# Allegro board Notecarrier-A PCB v2.0.brd (continued)
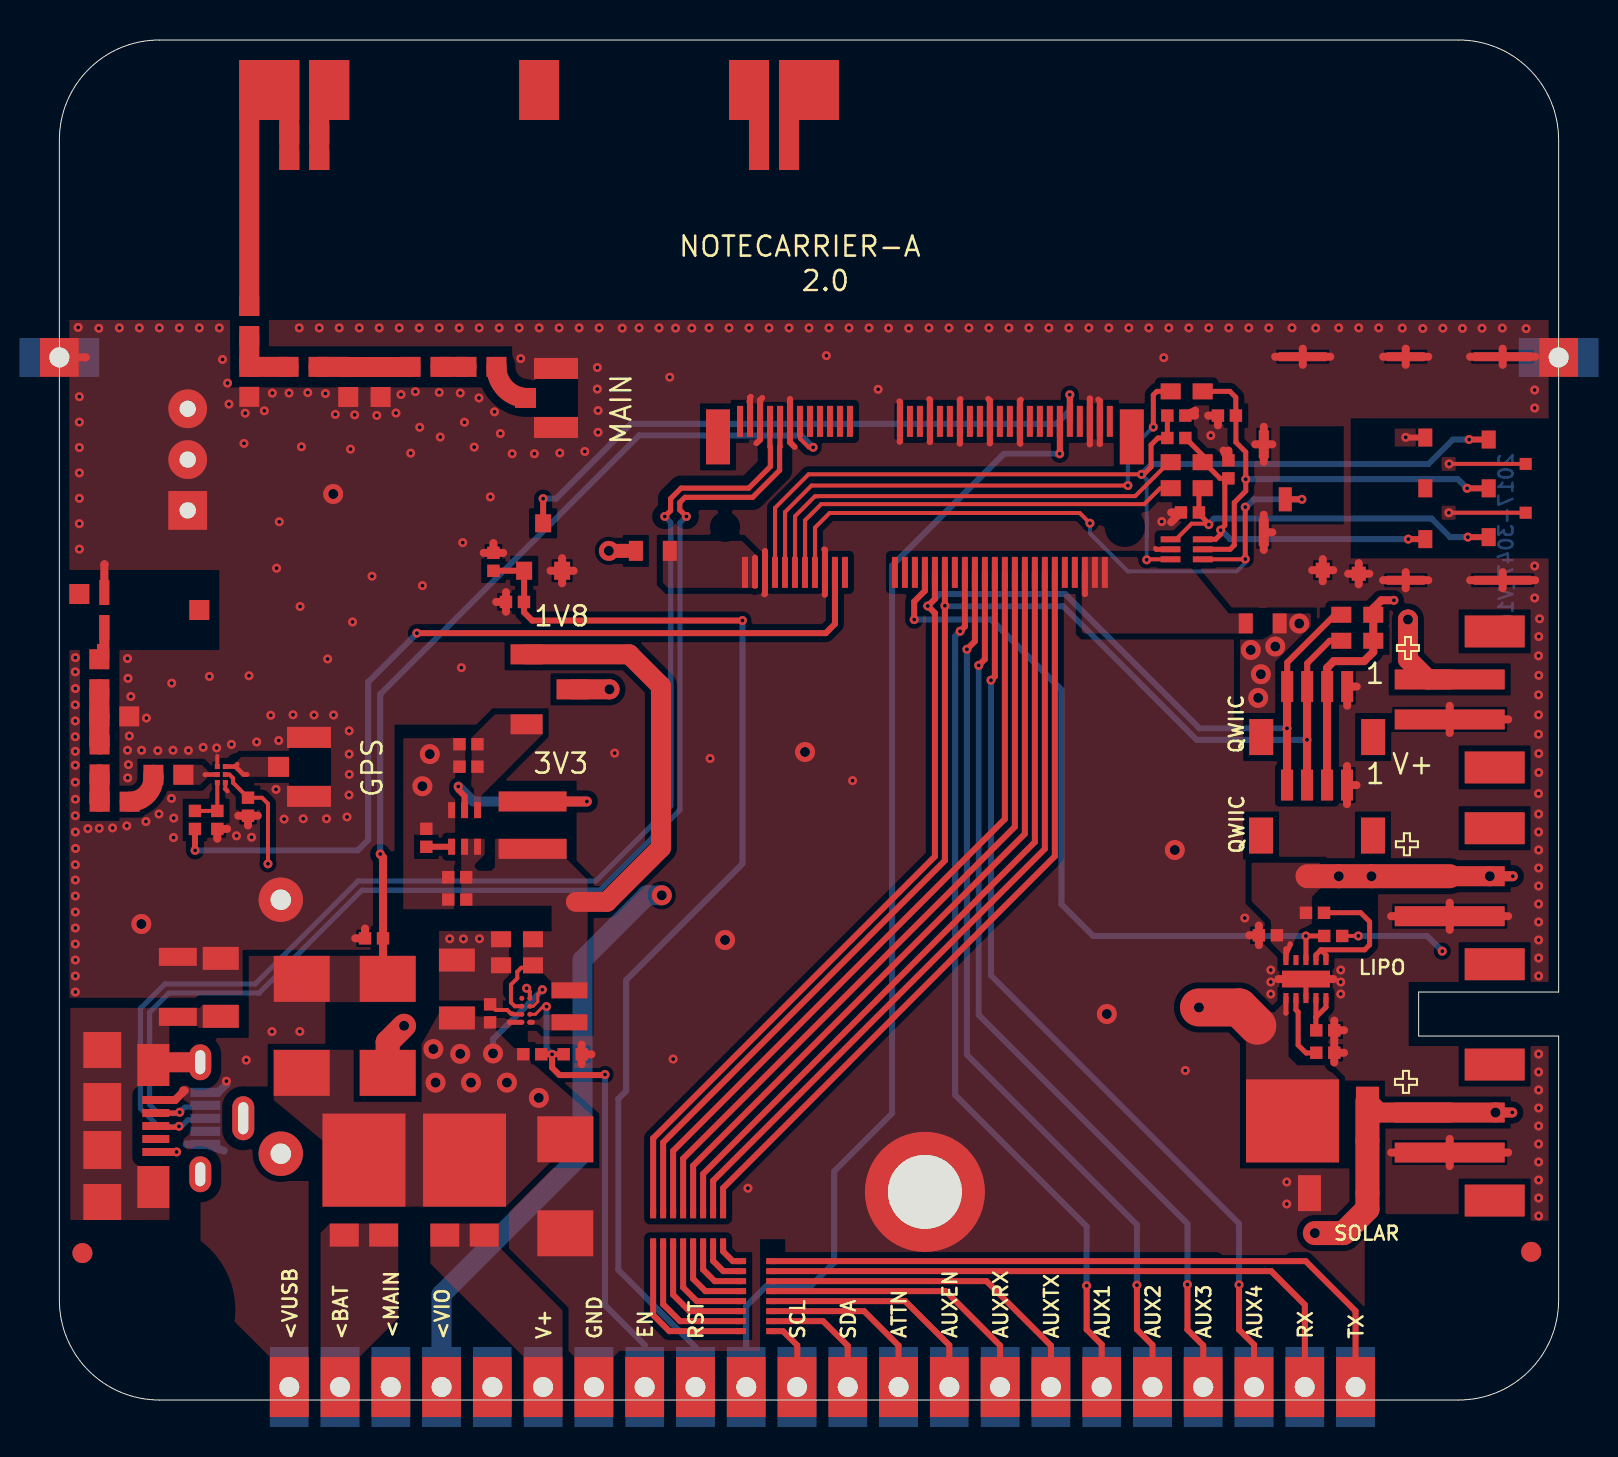
[diagram p0: board, top side]
## Placement (name value [footprint] x y rotation side) (continued)
U2  MAX17225ELT  [WDFN6-0200X0200]  20.27 28.58 270 top
U3  BQ24210DQCT  [WSON10-EXP]  62.36 21.05 90 top
U5  BGA725L6E6327FTSA1  [XFDFN6]  8.1 31.27 270 top

## Library data of the parts
ANT1 = ANT - NN03-310 - LTE-GNSS-BL
ANT2 = ANT - NN03-320 - GPS-GLONASS-BT
BAT1 = PORTA BATTERIA 3xAA - 2464: room: 3xAA BATTERY
C1 = CS-C-1206-47u/16V-X5R: room: DC-DC 1V8
C2 = CS-C-0402-4.7u/6V3-X5R: room: DC-DC 1V8
C3 C4 = CS-C-0603-10u/10V-X5R: room: DC-DC 1V8
C5 = CS-C-0402-100n/16V: room: DC-DC 1V8
C6 C9 = CS-C-0402-100n/16V: room: DC-DC 3V3
C7 C8 = CS-C-0402-10u/6V3-X5R: room: DC-DC 3V3
C10 = CS-C-0402-100n/16V: room: USB
C11 = CS-C-1206-10n/1kV: room: USB
C12 = CS-C-1206-10u/25V-X5R: room: SOLAR BATTERY CHARGER
C13 = CS-C-0402-1u/16-X5R: room: SOLAR BATTERY CHARGER
C16 = CS-C-0402-100n/16V: room: NANO-SIM
C17-C19 = CS-C-0402-33p/50V-C0G: room: NANO-SIM
C21 = CS-C-0402-1n/50V
C22 = CS-C-0402-1u/16-X5R: room: GPS ANTENNA
C23 = CS-C-0402-100n/16V: room: M2 CONNECTOR
C25 = CS-C-0603-0.5p/50V-C0G
C26 = CS-C-0603-1p/50V-C0G
C27 = CS-C-0603-2.2p/50V-C0G
C28 = CS-C-0402-4.6p/50V-C0G
C29 = CS-C-0402-1.1p/50V-C0G
DS2 DS3 = SCHOTTKY - FSV1045V - 10A/45V: room: INPUT
DS4 = SCHOTTKY-STPS3H100U - 3A/100V: room: USB
DS5 = SCHOTTKY-STPS3H100U - 3A/100V: room: SOLAR BATTERY CHARGER
DS6 = SCHOTTKY - FSV1045V - 10A/45V: room: SOLAR BATTERY CHARGER
F1 = RAPIDO - SF-0603F150-2-1.5A/32V: room: M2 CONNECTOR
F2 = RAPIDO - 0603SFV350F- 3.5A/32V: room: M2 CONNECTOR
FID1-FID4 = FIDUCIAL
J2 = USB - MICROUSB-B-FDS-1051330001
J3 J4 J12 = PH - J-2-0200-MDS-B2B-PH-SM4: room: SOLAR BATTERY CHARGER
J5 = NANOSIM - J-NANOSIM-SF72S006VBA: room: NANO-SIM
J6 = AMPHENOL-75 - M-2 KEY E_13: room: M2 CONNECTOR
J7 = UFL - U-FL-R-SMT-1-10: room: LTE ANTENNA
J8 = UFL - U-FL-R-SMT-1-10: room: GPS ANTENNA
J9 = STRIP-J-22-0254-FDT-H0508
J10 = STRIP-J-3-0254-FDT-H0508
J11 = USB - uUSB-B-10118192-0002LF: room: USB
J13 J14 = SH - J-4-0100-MDS-SH-BM04B
L1 = PW-XFL4020-222ME - 2.2u/3.1A: room: DC-DC 3V3
L2 = L - 1285AS-H-2R2M=P2-2.2u/1.5A: room: DC-DC 1V8
L5 = L - LQW15AN7N5H00D - 7.5n/0.57A
L6 = L - LQW18AN12NG80D - 12n/1.5A
L7 = L - LQW18AN10NG80D - 10n/1.6A
L8 = L - LQW18AN8N4G80D - 8.4n/1.6A
L9 = L - LQW15AN2N3G80D - 2.3n/2.53A
OBJ1 = DISTANZIALE - M2.5x0250
PAD1 PAD2 = CASTELLATED PAD - 0100
Q1 = NMOS - AO3420 - 6A/20V: room: M2 CONNECTOR
R1 = RS-0402-10M/5%
R4 = RS-0402-82k: room: DC-DC 3V3
R5 = RS-1206-1M: room: USB
R6 R8 R10 = RS-0402-10k: room: SOLAR BATTERY CHARGER
R9 = RS-0402-470r: room: SOLAR BATTERY CHARGER
R12 R14 R15 = RS-0603-22r: room: NANO-SIM
R16 = RS-0402-15k: room: NANO-SIM
R18 = RS-0402-200k
R21 = RS-0402-1k: room: M2 CONNECTOR
R22 = RS-0402-100k: room: GPS ANTENNA
R25 R27-R29 = RS-0603-0r
R26 R30 R31 = RS-0603
RR1 RR2 = RR-8X-1506-100r/5%: room: M2 CONNECTOR
SW1 = SW-SPDT - CJS-1200TA: room: POWER SWITCH
TVS1 = TVS-UNI - SM6T6V8A - 6.8V/600W: room: INPUT
TVS2 = TVS-UNI5x - ESDLC5V0M5-TP - 5V: room: NANO-SIM
U1 = BUCK - TPS62748YFPT - 0.3A/ADJ: room: DC-DC 1V8
U2 = BOOST -  MAX17225ELT - 0.5A/ADJ: room: DC-DC 3V3
U3 = BAT-CHARGE - BQ24210DQCT: room: SOLAR BATTERY CHARGER
U5 = LNA-RF - BGA725L6E6327FTSA1: room: GPS ANTENNA

## Footprints (pads in the part's own frame, mm; a bottom-side part is the same pattern mirrored in y, then rotated)
ANT-NN03310-LTE
  rect 1x3 smd: 1(-14.5,0) 2(-12.5,0) 6(12.5,0) 7(14.5,0)
  rect 2x3 smd: 3(-10.5,0) 4(0,0) 5(10.5,0)
ANT-NN03320-GPS
  rect 1x1 smd: 1(0,-3) 3(0.8,3)
  rect 1.25x0.5 smd: 2(0.875,1.75) 4(-0.875,1.75)
BATHLD-2464-NO_MECH
  round 2.22 hole 1.02: 1(26.405,-14.925) 2(26.405,-2.225)
CS-C-0402
  rect 0.62x0.62 smd: 1(-0.45,0) 2(0.45,0)
CS-C-0603
  rect 1x0.8 smd: 1(-0.8,0) 2(0.8,0)
CS-C-1206
  rect 1.15x1.8 smd: 1(-1.5,0) 2(1.4,0)
DIST-WASMSIM0250
  round 6 hole 3.7: 1(0,0)
FIDUCIAL
  round 1 smd: 1(0,0)
FRACTUS-0404
  rect 1x1 smd: 1(-0.75,0) 2(0.75,0)
FS-0603
  rect 0.7x1 smd: 1(-0.85,0) 2(0.85,0)
J-2-0200-MDS-B2B-PH-SM4
  rect 1.6x3 smd: (-5.4,2.25) (1.4,2.25)
  rect 1x5.5 smd: 1(-3,0) 2(-1,0)
J-3-0254-FDT-H0508
  rect 1.94x1.94 hole 0.81: 1(-2.54,0)
  round 1.94 hole 0.81: 2(0,0) 3(2.54,0)
J-3-MDS-UFL
  rect 1x1.05 smd: 1(0,-1.525)
  rect 1.05x2.2 smd: 2(-1.475,0) 3(1.475,0)
J-4-0100-MDS-SH
  rect 1.2x1.8 smd: (-1.3,2.525) (4.3,2.525)
  rect 0.6x1.55 smd: 1(0,0) 2(1,0) 3(2,0) 4(3,0)
J-5-0065-FDS-UUSB1051330001
  rect 0.45x1.5 smd: 1(-1.3,-0.25) 2(-0.65,-0.25) 3(0,-0.25) 4(0.65,-0.25) 5(1.3,-0.25)
  oval 1.8x1.1 hole 1.2x0.5: 6(-2.8,0) 7(2.8,0)
  oval 2.2x1.1 hole 1.6x0.5: 8(0,-2.15)
J-5-0065-FOS-USB10118192-NOF
  rect 0.4x1.35 smd: 1(-1.3,0.125) 2(-0.65,0.125) 3(0,0.125) 4(0.65,0.125) 5(1.3,0.125)
  rect 2.1x1.6 smd: 6(-3.05,0) 7(3.05,0)
  rect 1.9x1.9 smd: 8(-1.2,-2.55) 9(1.2,-2.55)
  rect 1.8x1.9 smd: 10(-3.8,-2.55) 11(3.8,-2.55)
J-22-0254-FDT-H0508_EDGE
  rect 1.94x3 hole 1: 1(-26.67,-0.65) 2(-24.13,-0.65) 3(-21.59,-0.65) 4(-19.05,-0.65) 5(-16.51,-0.65) 6(-13.97,-0.65) 7(-11.43,-0.65) 8(-8.89,-0.65) 9(-6.35,-0.65) 10(-3.81,-0.65) 11(-1.27,-0.65) 12(1.27,-0.65) 13(3.81,-0.65) 14(6.35,-0.65) 15(8.89,-0.65) 16(11.43,-0.65) 17(13.97,-0.65) 18(16.51,-0.65) 19(19.05,-0.65) 20(21.59,-0.65) 21(24.13,-0.65) 22(26.67,-0.65)
J-75-0050-MOS-M2-E
  rect 1.2x2.75 smd: (-10.35,4.5) (10.35,4.5)
  round 0 hole 1.1 unplated: (-10,0)
  round 0 hole 1.6 unplated: (10,0)
  rect 0.3x1.55 smd: 1(-9.25,5.275) 2(-9,-2.275) 3(-8.75,5.275) 4(-8.5,-2.275) 5(-8.25,5.275) 6(-8,-2.275) 7(-7.75,5.275) 8(-7.5,-2.275) 9(-7.25,5.275) 10(-7,-2.275) 11(-6.75,5.275) 12(-6.5,-2.275) 13(-6.25,5.275) 14(-6,-2.275) 15(-5.75,5.275) 16(-5.5,-2.275) 17(-5.25,5.275) 18(-5,-2.275) 19(-4.75,5.275) 20(-4.5,-2.275) 21(-4.25,5.275) 22(-4,-2.275) 23(-3.75,5.275) 32(-1.5,-2.275) 33(-1.25,5.275) 34(-1,-2.275) 35(-0.75,5.275) 36(-0.5,-2.275) 37(-0.25,5.275) 38(0,-2.275) 39(0.25,5.275) 40(0.5,-2.275) 41(0.75,5.275) 42(1,-2.275) 43(1.25,5.275) 44(1.5,-2.275) 45(1.75,5.275) 46(2,-2.275) 47(2.25,5.275) 48(2.5,-2.275) 49(2.75,5.275) 50(3,-2.275) 51(3.25,5.275) 52(3.5,-2.275) 53(3.75,5.275) 54(4,-2.275) 55(4.25,5.275) 56(4.5,-2.275) 57(4.75,5.275) 58(5,-2.275) 59(5.25,5.275) 60(5.5,-2.275) 61(5.75,5.275) 62(6,-2.275) 63(6.25,5.275) 64(6.5,-2.275) 65(6.75,5.275) 66(7,-2.275) 67(7.25,5.275) 68(7.5,-2.275) 69(7.75,5.275) 70(8,-2.275) 71(8.25,5.275) 72(8.5,-2.275) 73(8.75,5.275) 74(9,-2.275) 75(9.25,5.275)
J-NANOSIM-SF72S006VBA
  rect 0.9x0.7 smd: 1(2.99,-10.175) 2(0.55,-10.175) 3(-1.89,-10.175) 5(3.09,-7.005) 6(0.55,-7.005) 7(-1.99,-7.005)
  rect 0.45x2.9 smd: 8(-4.045,-10.875) 17(7.13,-10.875)
  rect 0.45x1.9 smd: 9(-4.045,-6.025) 16(7.13,-6.025)
  rect 0.7x0.7 smd: 10(-3.72,-3.675)
  rect 0.75x0.7 smd: 11(-3.545,-1.875)
  rect 1.4x0.5 smd: 12(-1.65,1.075) 14(2.75,1.075)
  rect 1.2x0.65 smd: 13(0,0)
  rect 0.45x2.4 smd: 15(7.13,-0.875)
  rect 0.6x0.6 smd: 18(1.77,-12.025) 19(-0.67,-12.025)
LS-0806
  rect 0.8x1.8 smd: 1(-0.8,0) 2(0.8,0)
LS-XFL4020
  rect 1x3.4 smd: 1(-1.185,0) 2(1.185,0)
PAD-THT-CAS-0100
  rect 1.94x1.94 hole 1: 1(0,0)
RR-8X-1506
  rect 0.3x0.5 smd: 1(-1.75,-0.75) 2(-1.25,-0.75) 3(-0.75,-0.75) 4(-0.25,-0.75) 5(0.25,-0.75) 6(0.75,-0.75) 7(1.25,-0.75) 8(1.75,-0.75) 9(1.75,0.75) 10(1.25,0.75) 11(0.75,0.75) 12(0.25,0.75) 13(-0.25,0.75) 14(-0.75,0.75) 15(-1.25,0.75) 16(-1.75,0.75)
RS-0402
  rect 0.62x0.62 smd: 1(-0.45,0) 2(0.45,0)
RS-0603
  rect 1x0.8 smd: 1(-0.8,0) 2(0.8,0)
RS-1206
  rect 0.9x1.9 smd: 1(-1.5,0) 2(1.5,0)
SMB
  rect 2.3x2.8 smd: 1(0,0) 2(4.7,0)
SOT23
  rect 0.9x0.8 smd: 1(0,0) 2(0,1.9) 3(-2.37,0.95)
SOT666
  rect 0.3x0.99 smd: 1(-0.5,-0.805) 2(0,-0.805) 3(0.5,-0.805) 4(0.5,0.805) 5(0,0.805) 6(-0.5,0.805)
SW-CJS1200TA
  rect 1x1.6 smd: 1(-1.75,-1.15) 2(0,1.15) 3(1.75,-1.15)
TO277-3
  rect 1.45x1.15 smd: 1(0.985,-2.75) 2(-0.985,-2.75)
  rect 4.15x4.65 smd: 3(0,1)
unnamed
  round 0 hole 3.3 unplated: (0,0)
WDFN6-0200X0200
  rect 0.8x0.35 smd: 1(-0.915,0.65) 2(-0.915,0) 3(-0.915,-0.65) 4(0.915,-0.65) 5(0.915,0) 6(0.915,0.65)
WSON10-EXP
  rect 0.5x0.25 smd: 1(-0.95,1) 2(-0.95,0.5) 3(-0.95,0) 4(-0.95,-0.5) 5(-0.95,-1) 6(0.95,-1) 7(0.95,-0.5) 8(0.95,0) 9(0.95,0.5) 10(0.95,1)
  rect 0.84x2.4 smd: 11(0,0)
XFBGA8
  round 0.25 smd: A1(0.2,-0.6) A2(-0.2,-0.6) B1(0.2,-0.2) B2(-0.2,-0.2) C1(0.2,0.2) C2(-0.2,0.2) D1(0.2,0.6) D2(-0.2,0.6)
XFDFN6
  rect 0.25x0.25 smd: 1(0.4,0.2) 2(0,0.2) 3(-0.4,0.2) 4(-0.4,-0.2) 5(0,-0.2) 6(0.4,-0.2)

## Nets
+1V8: C3.1 C4.1 C8.1 C9.1 L1.2 L2.2 SW1.1 U1.C2 U2.5 U2.6
+3V3: C6.1 C7.1 SW1.3 U2.1
GND: ANT2.2(M2) BAT1.2(-) C1.2 C2.2 C3.2 C4.2 C5.2 C6.2 C7.2 C8.2 C9.2 C10.2 C11.2 C12.2 C13.2 C16.2 C17.2 C18.2 C19.2 C22.2 C23.2 C26.2 C28.2 J2.5 J3.2 J4.2 J5.5 J5.8 J5.9 J5.10 J5.11 J5.12 J5.14 J5.15 J5.16 J5.17 J5.18 J5.19 J6.3 J6.5 J6.6 J6.11 J6.18 J6.33 J6.39 J6.45 J6.51 J6.57 J6.71 J6.73 J7.2 J7.3 J8.2 J8.3 J9.7 J10.1 J10.2 J10.3 J11.5 J12.2 J13.1 J14.1 L7.2 L8.2 OBJ1.1 PAD1.1 PAD2.1 Q1.2(S) R4.1 R5.2 R9.1 R10.1 R21.1 R22.1 TVS1.2 TVS2.2 U1.B2 U1.D1 U2.3 U3.3 U3.11 U5.1 U5.4
VBAT: BAT1.1 C13.1 DS3.1 DS3.2 J4.1 J9.2 R8.2 U3.10
ATTN: J9.13 RR1.3
ATTN_P: J6.54 RR2.14
AUX1: J6.46 J9.17
AUX2: J6.48 J9.18
AUX3: J6.50 J9.19
AUX4: J6.52 J9.20
AUX5: J6.38 R6.1 U3.8
AUX_EN: J9.14 RR1.4
AUX_EN_P: J6.56 RR2.13
AUX_RX: J9.15 RR1.5
AUX_RX_P: J6.58 RR2.12
AUX_TX: J9.16 RR1.6
AUX_TX_P: J6.60 RR2.11
BOOT: J6.65 J9.10
EN: C5.1 J9.8 R1.1 U1.B1
GPS_50: J8.1 U5.3
GPS_50_A: L5.1(C) U5.5
GPS_50_B: C21.1 L5.2
GPS_50_C: C21.2 R29.1
GPS_50_D: C28.1 C29.1 R29.2
GPS_50_E: ANT2.4 C29.2
LTE_50: J7.1 R28.1
LTE_50_A: R27.1 R28.2
LTE_50_B: C26.1 C27.2 L7.1(C) R27.2
LTE_50_C: C27.1 L8.1(C) L9.1(C)
LTE_50_D: ANT1.1 L9.2
NRST: J6.67 Q1.3
RST: C23.1 J9.9 Q1.1 R21.2
RX: J9.21 RR1.7
RX_P: J6.62 RR2.10
SCL: J9.11 RR1.1
SCL_P: J6.40 J13.4 J14.4 R31.1 RR2.16
SDA: J9.12 RR1.2
SDA_P: J6.42 J13.3 J14.3 R30.1 RR2.15
SIM_CLK: J6.14 R14.1
SIM_IO: J6.12 R12.1
SIM_NPRESENT: J5.13 J6.16 TVS2.4
SIM_RST: J6.10 R15.1
SIM_VCC: C16.1 J5.1 J6.8 R16.2 TVS2.3
TX: J9.22 RR1.8
TX_P: J6.64 RR2.9
USB_DM: J2.2 J6.9 J11.2
USB_DP: J2.3 J6.7 J11.3
USB_SHIELD: C11.1 J2.6 J2.7 J2.8 J11.6 J11.7 J11.8 J11.9 J11.10 J11.11 R5.1
V+: DS2.1 DS2.2 J9.6 J12.1
VACT_GPS_OUT: J6.20 R18.2
VIO: C22.1 F1.1 J9.4 J13.2 J14.2 R6.2 R30.2 R31.2 SW1.2 U5.2(VCC)
VIO_P: F1.2 J6.2 J6.4
VMAIN: C1.1 C2.1 DS2.3(C) DS3.3(C) DS4.1(C) F2.1 J9.3 R1.2 TVS1.1(C) U1.A2 U1.C1(VSEL)
VMODEM_P: F2.2 J6.70 J6.72 J6.74
VSOLAR: C12.1 DS6.1 DS6.2 J3.1 J9.5
VUSB: C10.1 DS4.2 DS5.2 J2.1(VCC) J6.13(VUSB) J9.1 J11.1(VCC)
N16816781: R18.1 R22.2 U5.6
N16924472: RR1.16 RR2.1
N16924474: RR1.15 RR2.2
N16924476: RR1.14 RR2.3
N16924478: RR1.13 RR2.4
N16924480: RR1.12 RR2.5
N16924482: RR1.11 RR2.6
N16924484: RR1.10 RR2.7
N16924486: RR1.9 RR2.8
N17096523: C19.1 J5.7 R12.2 R16.1 TVS2.6(C6)
N17096527: C17.1 J5.2 R15.2 TVS2.5
N17096550: C18.1 J5.3 R14.2 TVS2.1
N17180171: L1.1 U2.2
N17180221: L2.1(C) U1.A1
N17180308: R4.2 U2.4(SEL)
N17224639: DS5.1(C) DS6.3(C) U3.1
N17224757: R9.2 U3.2
N17224773: R10.2 U3.4(VTSB) U3.5
N17224777: R8.1 U3.6 U3.7
N17281739: ANT1.2 C25.2 L6.1(C)
N17281748: ANT1.3 C25.1 L6.2
N17281883: ANT1.5 R25.1 R26.1
N17281892: ANT1.6 R25.2 R26.2

Pads without a net: ANT1 4 7; ANT2 1 3; FID1 1; FID2 1; FID3 1; FID4 1; J2 4; J5 6; J6 1 15 17 19 21 22 23 32 34 35 36 37 41 43 44 47 49 53 55 59 61 63 66 68 69 75; J11 4; U1 D2; U3 9

## Via types
v1: diameter 1, hole 0.5, TOP to BOTTOM, 31 vias
v2: diameter 0.45, hole 0.2, TOP to BOTTOM, 310 vias

## Routing (per net, layer and track width the routed paths; a pad name or vN(x,y) marks a point on that pad's centre or on a via; arc(x,y) is an arc through that point)
+1V8: length 24
  TOP w0.2: U1.C2 22.78,19.69 22.59,19.88 22.59,20.77 22.91,21.08 22.91,21.41 23.11,21.61 23.57,21.61 C3.1
  TOP w1: SW1.1 28.51,37.28 30.09,35.7 30.09,27.61 27.39,24.91 25.84,24.91
GND: length 117.4
  TOP w0.2: U5.1 8.3,30.55 8.42,30.43 ; v2(69.52,46.81) 69.52,46.8 J5.18 ; U1.B2 22.72,19.29 22.68,19.32 22.59,19.32 22.4,19.5 21.83,19.5 C2.2 ; U1.D1 23.53,20.42 v2(23.37,20.59) ; 69.5,44.36 v2(69.51,44.36) J5.19 ; 12.25,29.11 v2(12.2,29.06) ; 7.9,32.2 U5.4
  TOP w0.25: U3.3 U3.11 ; TVS2.2 54.87,42.53 54.84,42.57
  TOP w0.3: 42.03,47.91 42.05,47.93 J6.33 42.05,49.91 42.02,49.93 ; 48.07,47.81 48.05,47.84 J6.57 48.05,49.96 48.1,50.01 ; 35.16,50.1 35.05,49.99 J6.5 35.05,48.02 34.87,47.84 ; 43.51,50.04 43.55,50.01 J6.39 43.55,47.91 43.54,47.9 ; 52.04,47.79 52.05,47.8 J6.73 52.05,49.95 51.97,50.02 ; J5.5 67.36,48.12 v2(67.35,48.13) ; 51.55,47.78 51.55,47.79 J6.71 51.55,50.07 51.55,50.07 ; J6.3 34.55,49.89 ; 34.55,49.89 34.55,50.12 34.59,50.16 ; 34.55,49.89 34.52,49.92 ; 46.47,50.06 46.55,49.98 J6.51 46.55,47.84 46.55,47.83 ; 45.04,47.82 45.05,47.83 J6.45 45.05,50.02 45.08,50.04 ; 36.78,47.65 36.55,47.88 J6.11 36.55,50.04 36.54,50.04 ; 38.26,42.53 38.3,42.5 J6.18 38.3,40.28 38.29,40.27 ; 35.27,40.28 35.3,40.32 J6.6 35.3,42.45
  TOP w0.4: 8.95,29.21 C22.2 ; C22.2 9.44,28.73 ; C22.2 9.92,29.21 ; J3.2 69.55,13.05 ; J3.2 66.62,12.37 ; J3.2 69.55,11.7 ; J3.2 72.48,12.37 ; Q1.2 25.15,42.09 ; Q1.2 25.15,40.84 ; Q1.2 25.73,41.46 ; Q1.2 24.57,41.46 ; 72.2,40.59 J5.8 ; J5.8 72.2,41.39 ; J5.8 70.57,40.99 ; J5.8 73.83,40.99 ; 60.25,42.51 J5.12 ; J5.12 60.25,44.26 ; J5.12 60.68,43.38 ; 22.34,39.42 C23.2 ; C23.2 22.34,40.39 ; C23.2 21.85,39.9 ; 21.23,42.36 R21.1 ; R21.1 21.71,42.85 ; R21.1 22.2,42.36 ; 58.48,47.47 C19.2 58.24,47.47 ; 63.74,21.05 U3.11 60.98,21.05 ; 63.78,17.99 R10.1 ; R10.1 64.26,18.48 ; R10.1 63.78,18.97 ; 60.01,22.75 C13.2 ; C13.2 60.01,23.72 ; C13.2 59.52,23.24 ; 55.62,44.38 C18.2 55.62,43.89 ; 64.42,34.72 J14.1 64.9,35.67 ; 74.28,52.12 74.29,52.13 PAD1.1 ; 63.2,40.94 J5.11 ; J5.11 62.67,41.49 ; J5.11 63.73,41.49 ; J5.11 63.2,42.04 ; J5.9 67.35,41.39 ; J5.9 67.35,40.59 ; J5.9 68.48,40.99 ; J5.9 66.22,40.99 ; 63.78,16.87 R9.1 ; R9.1 63.78,17.85 ; R9.1 64.26,17.36 ; 26.13,16.8 C5.2 ; C5.2 26.62,17.29 ; C5.2 26.13,17.77 ; 59.82,47.78 J5.14 ; J5.14 60.25,46.91 ; J5.14 60.25,48.66 ; J5.14 60.68,47.78 ; 1.32,52.13 1.32,52.13 PAD2.1 ; J13.1 64.89,30.75 ; J13.1 64.41,31.7 ; J13.1 64.41,29.79 ; J12.2 69.55,34.71 ; J12.2 72.48,34.03 ; J12.2 69.55,33.35 ; ANT2.2 2.25,41.78 2.26,41.79 ; J5.15 62.2,52.57 ; J5.15 60.82,52.16 ; J5.15 63.58,52.16 ; J5.15 62.2,51.76 ; 15.29,23.57 C10.2 14.8,23.08 ; J5.17 72.2,52.57 ; J5.17 70.57,52.16 ; J5.17 72.2,51.76 ; J5.17 73.83,52.16 ; 69.55,23.51 J4.2 ; J4.2 69.55,24.87 ; J4.2 66.62,24.19 ; J4.2 72.48,24.19 ; 56.81,49.22 C16.2 56.81,49.46 ; J5.10 65,41.84 ; J5.10 65.53,41.31 ; J5.10 64.47,41.31 ; J5.10 65,40.79 ; 8.39,28.55 R22.1 7.9,28.07 ; 57.47,49.22 C17.2 57.96,48.73 ; J11.5 5.87,12.4 5.87,12.4 v2(5.86,12.4) ; J5.16 67.35,52.57 ; J5.16 66.22,52.16 ; J5.16 68.48,52.16 ; J5.16 67.35,51.76
  BOTTOM w0.4: 8.23,12.47 J2.5 6.37,12.79
  vias: v1(4.1,23.8) v1(13.7,45.3) v1(18.16,30.69) v1(18.53,32.3) v1(33.3,23) v1(37.3,32.4) v1(52.4,19.3) v1(55.8,27.5) v2(0.8,37.12) v2(0.8,36.41) v2(0.8,35.57) v2(0.8,34.76) v2(0.79,33.95) v2(0.79,33.16) v2(0.8,32.44) v2(0.79,31.74) v2(0.79,30.89) v2(0.8,30.04) v2(0.8,29.21) v2(0.8,28.4) v2(0.81,27.58) v2(0.8,26.76) v2(0.8,26) v2(0.8,25.2) v2(0.8,24.4) v2(0.8,23.6) v2(0.8,22.8) v2(0.8,22) v2(0.8,21.2) v2(0.8,20.4) v2(0.94,53.63) v2(1,50.16) v2(1,48.9) v2(1,47.62) v2(1,46.35) v2(1,45.09) v2(1,43.81) v2(1,42.55) v2(1.43,28.57) v2(1.97,53.59) v2(1.99,28.59) v2(2.66,28.6) v2(3,53.6) v2(3.41,37.07) v2(3.43,36.08) v2(3.41,32.49) v2(3.42,31.11) v2(3.37,28.71) v2(3.5,33.2) v2(3.46,31.77) v2(3.58,35.18) v2(4,53.6) v2(4.11,32.49) v2(4.33,28.92) v2(4.35,34.1) v2(4.93,32.47) v2(5,53.6) v2(4.98,29.3) v2(5.62,35.84) v2(5.61,30.08) v2(5.68,32.49) v2(5.72,29.1) v2(5.71,28.12) v2(6,53.6) v2(6.45,32.48) v2(7,53.6) v2(7.19,32.63) v2(7.5,36.18) v2(7.87,32.61) v2(8,53.6) v2(8.16,52.03) v2(8.41,50.85) v2(8.48,49.79) v2(8.61,32.78) v2(8.86,28.21) v2(9.23,47.83) v2(9.3,49.34) v2(9.49,36.21) v2(9.61,28.14) v2(9.87,32.9) v2(10.25,49.46) v2(10.58,34.24) v2(10.65,50.35) v2(10.84,30.53) v2(10.87,41.59) v2(11,43.91) v2(10.97,32.97) v2(11.24,29.05) v2(11.49,50.35) v2(11.69,34.26) v2(12,53.6) v2(12.04,39.68) v2(12.11,47.66) v2(12.43,50.37) v2(12.74,34.25) v2(13,53.6) v2(13.31,50.32) v2(13.42,37.05) v2(13.36,29.06) v2(13.72,34.25) v2(13.8,49.28) v2(14,53.6) v2(14.39,29.15) v2(14.5,33.46) v2(14.5,32.3) v2(14.5,31.28) v2(14.49,30.25) v2(14.56,47.54) v2(14.66,38.9) v2(14.77,49.26) v2(15,53.6) v2(15.64,41.19) v2(15.88,49.23) v2(16,53.6) v2(16.84,49.35) v2(17,53.6) v2(17.09,50.27) v2(17.57,47.34) v2(17.81,50.42) v2(18,53.6) v2(18.03,48.64) v2(18.16,40.72) v2(19,53.6) v2(19,50.38) v2(19.05,48.15) v2(19.52,23.06) v2(20,53.6) v2(20.05,50.35) v2(20.11,36.62) v2(20.18,42.87) v2(20.21,23.06) v2(20.26,48.89) v2(20.75,47.64) v2(21,53.6) v2(20.99,50.1) v2(21.01,23.06) v2(21.56,45.16) v2(21.77,49.41) v2(22,53.6) v2(22.06,48.32) v2(22.65,47.31) v2(23,53.6) v2(23.08,52.07) v2(23.76,47.31) v2(24,53.6) v2(25,53.6) v2(25.04,47.35) v2(26,53.6) v2(26.29,47.43) v2(26.91,51.62) v2(26.91,50.55) v2(26.95,49.47) v2(26.95,48.38) v2(27,53.6) v2(27.78,32.35) v2(28.16,53.59) v2(29,53.6) v2(30,53.6) v2(30.53,51.14) v2(30.7,17.05) v2(30.82,53.59) v2(31.64,53.59) v2(32.5,53.6) v2(32.55,32.08) v2(33.5,53.6) v2(34.45,10.59) v2(34.5,53.6) v2(35.5,53.6) v2(36.5,53.6) v2(37.5,53.6) v2(38.37,52.22) v2(38.5,53.6) v2(39.5,53.6) v2(39.68,30.97) v2(40.5,53.6) v2(40.96,50.54) v2(41.48,53.59) v2(42.49,53.59) v2(43.5,53.6) v2(44.5,53.6) v2(45.5,53.6) v2(46.5,53.6) v2(47.5,53.6) v2(48.5,53.6) v2(49.5,53.6) v2(50.5,53.6) v2(51.5,53.6) v2(52.5,53.6) v2(53.5,53.6) v2(54.5,53.6) v2(55.15,43.92) v2(55.25,52.12) v2(55.5,53.6) v2(56.32,16.48) v2(56.5,53.6) v2(57.5,53.6) v2(57.6,48.22) v2(58.5,53.6) v2(59.3,24.1) v2(59.5,53.6) v2(60.5,53.6) v2(60.6,21.5) v2(60.6,20.9) v2(60.6,20.3) v2(61.4,10.9) v2(61.4,9.8) v2(61.66,53.61) v2(62.85,53.6) v2(64,53.6) v2(64.1,21.5) v2(64.1,20.9) v2(64.1,20.3) v2(65,53.6) v2(66,53.6) v2(67.18,53.6) v2(68.21,53.58) v2(69.21,53.59) v2(70.19,53.58) v2(71.17,53.59) v2(72.18,53.6) v2(73.37,53.57) v2(73.8,50.5) v2(73.8,49.6) v2(73.8,41.7) v2(73.8,40.1) v2(74.05,39.06) v2(74.01,38.17) v2(74,37.21) v2(74.01,36.23) v2(74,35.25) v2(74,34.26) v2(73.99,33.29) v2(74.01,32.32) v2(74.01,31.37) v2(73.99,30.32) v2(74,29.3) v2(74,28.4) v2(74,27.5) v2(74,26.6) v2(74,25.7) v2(74,24.8) v2(74,23.9) v2(74,23) v2(74,22.1) v2(74,21.2) v2(74,17.3) v2(74,16.4) v2(74,15.5) v2(74,14.6) v2(74,13.7) v2(74,12.8) v2(74,11.9) v2(74,11) v2(74,10.1) v2(74,9.2)
VBAT: length 25.4
  TOP w0.25: 61.36,22.55 61.36,22.55 61.36,22.34 ; 61.57,22.81 61.58,22.78 61.39,22.36 61.36,22.34 ; U3.10 61.36,22.34
  TOP w0.5: J4.1 v2(72.71,26.19)
  TOP w1.2: 62.44,26.19 v1(64,26.19) v1(65.64,26.19) J4.1
  POWER w1.7: BAT1.1 14.04,9.35 J9.2
  BOTTOM w0.5: v2(72.71,26.19) v1(71.56,26.19)
ATTN: length 9.2
  TOP w0.3: RR1.3 40.26,4.44 41.98,2.72 J9.13
ATTN_P: length 38.9
  TOP w0.3: RR2.14 30.7,12.45 47.3,29.05 J6.54
AUX1: length 44
  TOP w0.3: J6.46 45.3,38.68 v2(45.06,38.44) ; v2(51.39,5.71) 51.39,3.53 52.14,2.78 J9.17
  BOTTOM w0.3: v2(45.06,38.44) 44.81,38.19 44.81,15.25 51.39,8.67 v2(51.39,5.71)
AUX2: length 44.7
  TOP w0.3: v2(53.9,5.74) 53.9,3.53 54.68,2.75 J9.18 ; v2(45.4,37.53) 45.8,37.93 J6.48
  BOTTOM w0.3: v2(45.4,37.53) 45.4,17.27 53.9,8.76 v2(53.9,5.74)
AUX3: length 45.5
  TOP w0.3: v2(45.99,36.73) 46.3,37.04 J6.50 ; J9.19 57.22,2.73 56.43,3.52 v2(56.43,5.78)
  BOTTOM w0.3: v2(45.99,36.73) 45.99,19.26 56.43,8.82 v2(56.43,5.78)
AUX4: length 46.3
  TOP w0.3: v2(59.01,5.76) 59.01,3.52 59.76,2.77 J9.20 ; v2(46.6,35.99) 46.8,36.19 J6.52
  BOTTOM w0.3: v2(59.01,5.76) 59.01,8.82 46.6,21.23 v2(46.6,35.99)
AUX5: length 37.1
  TOP w0.25: U3.8 62.36,23.16 62.36,23.16 v2(62.36,23.2) 62.36,23.2 R6.1
  TOP w0.3: J6.38 43.3,40.46 42.76,39.92 v2(42.76,39.02)
  BOTTOM w0.3: v2(62.36,23.2) 51.72,23.2 50.13,24.79 50.13,35.52 46.62,39.02 v2(42.76,39.02)
AUX_EN: length 11.9
  TOP w0.3: J9.14 44.52,0.65 44.52,2.74 42.31,4.94 RR1.4
AUX_EN_P: length 38.9
  TOP w0.3: J6.56 47.8,28.66 31.2,12.07 RR2.13
AUX_RX: length 14.7
  TOP w0.3: J9.15 47.06,0.65 47.06,2.72 44.34,5.44 RR1.5
AUX_RX_P: length 38.9
  TOP w0.3: J6.58 48.3,28.31 31.7,11.71 RR2.12
AUX_TX: length 17.4
  TOP w0.3: RR1.6 46.38,5.94 49.6,2.72 49.6,0.65 J9.16
AUX_TX_P: length 38.9
  TOP w0.3: J6.60 48.8,27.9 32.2,11.31 RR2.11
BOOT: length 57.7
  TOP w0.3: v2(50.04,47.31) 50.05,47.32 J6.65
  BOTTOM w0.3: J9.10 34.36,4.69 35.35,5.68 37.57,5.68 38.76,6.87 38.76,11.44 41.66,14.34 41.66,41.72 47.25,47.31 v2(50.04,47.31)
EN: length 24.5
  TOP w0.15: U1.B1 23.81,19.29 24.2,19.67 v2(24.37,19.67)
  TOP w0.3: v2(27.3,16.27) 27.27,16.25 25.02,16.25 24.65,16.62 v2(24.65,17.29) ; R1.1 v2(24.65,17.29) ; v2(24.65,17.29) C5.1
  BOTTOM w0.3: J9.8 29.28,2.75 27.3,4.73 v2(27.3,16.27) ; v2(24.37,19.67) 24.37,17.56 v2(24.65,17.29)
GPS_50: length 1.4
  TOP w0.23: 8.78,31.67 8.81,31.67 9.21,31.27 9.39,31.27 9.39,31.28 ; 8.78,31.67 U5.3 ; 8.78,31.67 8.9,31.79
GPS_50_A: length 0.6
  TOP w0.23: U5.5 7.29,31.27 7.28,31.26
GPS_50_B: length 2
  TOP w1: L5.2 4.7,31.1 arc(4.36,30.26) C21.1
GPS_50_C: length 1.4
  TOP w1: C21.2 2.01,29.92 R29.1
GPS_50_D: length 2.8
  TOP w1: R29.2 2,32.79 C28.1 C29.1
LTE_50: length 2.3
  TOP w1: R28.1 arc(22.29,50.59) J7.1
LTE_50_A: length 1.3
  TOP w1: R27.1 R28.2
LTE_50_B: length 4.6
  TOP w0.68: 17.56,51.65 R27.2 ; 14.44,51.66 C26.1
  TOP w1: 17.56,51.65 L7.1 C26.1 ; C27.2 14.44,51.66
LTE_50_C: length 3.5
  TOP w1: L9.1 L8.1 C27.1
NRST: length 31.5
  TOP w0.3: Q1.3 v2(24.2,45.07) ; J6.67 v2(50.55,50.26)
  BOTTOM w0.3: v2(24.2,45.07) 24.85,45.07 28.59,48.81 49.88,48.81 50.55,49.47 v2(50.55,50.26)
RST: length 57.2
  TOP w0.3: R21.2 21.72,41.46 Q1.1 23.25,39.91 C23.1 23.24,39.39 23.66,38.97 v2(34.17,38.97)
  BOTTOM w0.3: v2(34.17,38.97) 34.17,26.82 28.35,21 28.35,15.46 27.96,15.06 27.96,6.51 31.82,2.65 J9.9
RX: length 31.5
  TOP w0.3: J9.21 62.3,0.65 62.3,4.76 60.62,6.44 RR1.7
RX_P: length 38.9
  TOP w0.3: RR2.10 32.7,10.96 49.3,27.56 J6.62
SCL: length 3.7
  TOP w0.3: RR1.1 36.2,3.44 36.91,2.73 36.91,0.66 J9.11
SCL_P: length 69
  TOP w0.3: RR2.16 29.7,13.08 43.8,27.18 43.8,39.34 v2(43.44,39.7) 43.8,40.06 J6.40 ; R31.1 63.81,39.26 61.42,36.88 J14.4
  TOP w0.4: J13.4 61.41,33.55 61.39,33.57 v2(61.41,33.58) 61.41,35.66 J14.4
  BOTTOM w0.3: v2(43.44,39.7) 44.04,40.3 50.32,40.3 57.03,33.58 v2(61.41,33.58)
SDA: length 6.4
  TOP w0.3: RR1.2 38.2,3.94 39.44,2.71 J9.12
SDA_P: length 67
  TOP w0.3: R30.1 63.55,37.96 62.42,36.84 J14.3 ; J6.42 v2(44.3,39.71) 44.3,26.97 30.2,12.88 RR2.15
  TOP w0.4: J13.3 v2(62.41,33.01) 62.41,35.66 J14.3
  BOTTOM w0.3: v2(44.3,39.71) 44.32,39.69 50.22,39.69 56.9,33.01 v2(62.41,33.01)
SIM_CLK: length 21.6
  TOP w0.2: R14.1 55.06,45.59 54.27,44.79 38.11,44.79 37.3,43.98 J6.14
SIM_IO: length 22.7
  TOP w0.2: J6.12 36.8,44.19 37.79,45.19 37.94,45.19 37.94,45.19 53.81,45.19 55.51,46.89 R12.1
SIM_NPRESENT: length 34.6
  TOP w0.2: J6.16 37.8,43.62 38.53,44.35 51.05,44.35 v2(51.55,43.84) ; TVS2.4 59.31,42.03 v2(59.32,42.05)
  TOP w0.25: v2(59.32,44.65) v2(59.32,42.05)
  TOP w0.3: J5.13 v2(62.16,45.03)
  BOTTOM w0.2: v2(51.55,43.84) 51.55,43.33 53.45,41.43 58.9,41.43 59.32,41.86 v2(59.32,42.05)
  BOTTOM w0.3: v2(59.32,44.65) 59.32,44.6 59.76,45.03 v2(62.16,45.03)
SIM_RST: length 26.7
  TOP w0.2: J6.10 36.3,44.4 37.62,45.72 53.45,45.72 v2(53.45,45.72)
  TOP w0.25: v2(54.72,48.65) 54.72,50.25 54.9,50.43 R15.1
  BOTTOM w0.2: v2(54.72,48.65) 53.45,47.37 v2(53.45,45.72)
SIM_VCC: length 49.7
  TOP w0.2: J6.8 35.8,44.6 37.48,46.28 v2(54.14,46.28) ; v2(54.39,42.01) 54.42,42.03 TVS2.3
  TOP w0.25: C16.1 R16.2 54.95,48.1 54.61,47.76 54.61,46.65 54.24,46.28 v2(54.14,46.28)
  TOP w0.3: J5.1 v2(70.52,48.02)
  BOTTOM w0.2: v2(54.39,42.01) 54.39,43.19 54.4,43.2 54.4,44.11 54.39,44.12 54.39,46.02 v2(54.14,46.28)
  BOTTOM w0.3: v2(54.14,46.28) 54.65,46.8 68.49,46.8 69.71,48.02 v2(70.52,48.02)
TX: length 34.1
  TOP w0.3: J9.22 64.84,4.45 62.35,6.94 RR1.8
TX_P: length 38.9
  TOP w0.3: J6.64 49.8,27.19 33.2,10.59 RR2.9
USB_DM: length 63.4
  TOP w0.26: v2(31.36,44.18) 31.04,44.51 31.04,44.87 31.3,45.13 34.68,45.13 36.03,46.48 36.03,47.64 36.05,47.66 J6.9 ; v2(6.02,14.39) 5.98,14.35 J11.2
  BOTTOM w0.26: v2(31.36,44.18) 31.04,43.86 31.04,29.5 27.03,25.49 15.13,25.49 9.99,20.34 5.47,20.34 4.51,19.39 4.51,14.77 4.97,14.32 5.95,14.32 v2(6.02,14.39) 6.28,14.64 7.2,14.64 J2.2
USB_DP: length 64.2
  TOP w0.26: v2(30.29,44.18) 30.58,44.47 30.58,45.06 31.11,45.59 34.49,45.59 35.57,46.67 35.57,47.64 35.55,47.66 J6.7 ; v2(5.99,13.68) 5.94,13.64 4.88,13.64 J11.3
  BOTTOM w0.26: J2.3 7.21,14 6.42,14 6.41,13.99 6.41,13.99 6.22,13.8 6.22,13.8 6.1,13.68 v2(5.99,13.68) 4.95,13.68 4.05,14.58 4.05,19.58 5.28,20.8 9.8,20.8 14.94,25.95 26.84,25.95 30.58,29.7 30.58,43.88 v2(30.29,44.18)
USB_SHIELD: length 10.2
  TOP w1: J11.6 4.84,16.89 J2.6
  GND w1: J2.7 7.05,12.09 9.04,14.09 ; 9.04,14.09 J2.8 ; 9.04,14.09 8.33,14.09 7.05,15.37 J2.6
V+: length 82.3
  TOP w1: J12.1 68.46,36.03 67.46,37.03 v1(67.46,39.02)
  POWER w1.2: J9.6 24.2,2.63 25.05,3.48 61.76,3.48 66.9,8.62 66.9,21.5 67.46,22.06 v1(67.46,39.02)
VACT_GPS_OUT: length 45
  TOP w0.3: J6.20 38.8,38.8 38.34,38.34 v2(17.89,38.34) ; R18.2 6.78,27.49 v2(6.79,27.48)
  BOTTOM w0.3: v2(17.89,38.34) 15.45,35.91 15.45,28.01 14.93,27.48 v2(6.79,27.48)
VIO: length 55.9
  TOP w0.2: R6.2 v2(64.98,23.2) ; U5.2 8.51,31.27 8.68,31.1 8.68,31.08 8.69,31.07 8.69,30.86 C22.1 10.14,30.11 10.43,29.82 v2(10.43,26.81)
  TOP w0.4: J13.2 63.41,35.66 J14.2 63.42,36.61 63.76,36.95 65.27,36.95 65.73,37.4 R30.2 R31.2 65.73,39.59 66.13,39.99 v2(66.76,39.99)
  TOP w0.7: F1.1 v1(27.49,42.46)
  TOP w1: SW1.2 v1(27.52,35.53)
  BOTTOM w0.3: v2(69.18,22.44) 68.42,23.2 v2(64.98,23.2)
  BOTTOM w1: v1(30.13,25.24) 29.4,25.24 26.17,22.01 26.17,12.33 19.12,5.28 J9.4
VIO_P: length 1.4
  TOP w0.3: 34.8,42.12 J6.4 34.8,40.71
VMAIN: length 9.1
  TOP w0.15: U1.C1 23.7,19.69 23.93,19.92 23.93,20.29 v2(24.16,20.51)
  TOP w0.2: 21.55,18.89 C2.1
  TOP w0.25: 22.51,18.89 22.51,18.89 U1.A2
  POWER w1.9: 16.55,3.7 16.58,3.67 J9.3
  BOTTOM w0.3: v1(21.69,17.33) 21.69,18.05 v2(24.16,20.51)
  vias: v1(18.71,17.55) v1(18.82,15.87) v1(20.05,17.31) v1(20.59,15.87) v1(22.39,15.87) v1(23.98,15.11) v1(59.6,37.5) v1(59.97,35.1) v1(60.11,36.29) v1(60.82,37.67) v1(62.02,38.82)
VMODEM_P: length 1.1
  TOP w0.3: J6.70 51.3,40.3 51.3,40.3
VSOLAR: length 63.2
  TOP w0.5: J3.1 v2(72.68,14.37)
  TOP w1: J3.1 66,14.37 DS6.1
  TOP w1.2: v1(62.81,8.35) 64.24,8.35 65.44,9.55 C12.1 DS6.2 DS6.1
  POWER w1.2: J9.5 21.66,0.66 21.66,3.7 22.87,4.9 48.67,4.9 50.6,6.82 61.61,6.82 62.81,8.02 v1(62.81,8.35)
  BOTTOM w0.5: v2(72.68,14.37) v1(71.84,14.37)
VUSB: length 46.4
  TOP w0.2: v2(37.71,47.63) 37.48,47.63 37.05,48.07 J6.13
  TOP w0.4: 6.28,15.48 6.2,15.48 6.2,15.41 5.79,15 J11.1 ; v2(16.05,27.3) 16.05,27.27 16.19,27.13 C10.1 16.19,21.29 DS5.2
  BOTTOM w0.3: v2(16.05,27.3) 16.05,35.29 28.99,48.23 37.11,48.23 v2(37.71,47.63)
  BOTTOM w0.4: v2(8.35,15.94) 8.35,15.8 7.94,15.39 J2.1
  vias: v2(9.35,17) v2(10.64,18.42) v2(12.03,18.43)
N16816781: length 2.5
  TOP w0.2: R18.1 R22.2 U5.6
N16924472: length 8.3
  TOP w0.3: RR1.16 30.51,3.44 29.7,4.25 RR2.1
N16924474: length 7.3
  TOP w0.3: RR2.2 30.2,4.79 31.05,3.94 RR1.15
N16924476: length 6.3
  TOP w0.3: RR1.14 31.52,4.44 30.7,5.26 RR2.3
N16924478: length 5.4
  TOP w0.3: RR2.4 31.2,5.63 31.89,4.94 RR1.13
N16924480: length 4.4
  TOP w0.3: RR1.12 32.32,5.44 31.7,6.06 RR2.5
N16924482: length 3.5
  TOP w0.3: RR2.6 32.2,6.52 32.78,5.94 RR1.11
N16924484: length 2.5
  TOP w0.3: RR2.7 32.7,6.96 33.22,6.44 RR1.10
N16924486: length 1.5
  TOP w0.3: RR1.9 33.69,6.94 33.2,7.43 RR2.8
N17096523: length 17.6
  TOP w0.25: R16.1 57.19,47.24 R12.2 57.25,46.89 58.06,46.08 C19.1 58.3,45.9 58.3,43.74 58.09,43.52 v2(58.09,43.5) 58.09,43.28 57.84,43.03 TVS2.6
  TOP w0.3: J5.7 v2(67.48,43.04)
  BOTTOM w0.3: v2(58.09,43.5) 58.12,43.5 58.57,43.04 v2(67.48,43.04)
N17096527: length 23.7
  TOP w0.25: R15.2 58.55,50.43 58.85,50.13 58.85,49.23 C17.1 58.86,47.89 59.35,47.39 v2(59.35,46.04) ; TVS2.5 58.56,42.53 58.77,42.74 58.77,44.87 59.35,45.45 v2(59.35,46.04) ; 59.42,45.97 v2(59.35,46.04)
  TOP w0.3: J5.2 v2(70.42,45.58)
  BOTTOM w0.3: v2(59.35,46.04) 69.97,46.04 v2(70.42,45.58)
N17096550: length 18.9
  TOP w0.2: TVS2.1 55.86,43.03 56.64,43.82 57.5,43.82
  TOP w0.25: R14.2 57.01,45.4 C18.1 57.01,44.31 57.5,43.82 v2(57.5,43.77)
  TOP w0.3: J5.3 v2(70.46,43.14)
  BOTTOM w0.3: v2(57.5,43.77) 57.5,43.82 57.75,44.07 68.64,44.07 69.57,43.14 v2(70.46,43.14)
N17180171: length 10.8
  TOP w0.3: v2(19.96,30.68) 19.96,30.51 20.27,30.2 U2.2
  TOP w0.5: 23.67,29.93 L1.1 v2(26.39,29.93)
  BOTTOM w0.5: v2(26.39,29.93) 20.71,29.93 v2(19.96,30.68)
N17180221: length 0.1
  TOP w0.25: U1.A1 23.66,18.89
N17180308: length 1.3
  TOP w0.3: U2.4 18.36,27.66 R4.2
N17224639: length 6.7
  TOP w0.25: U3.1 61.36,19.34 61.36,19.34
  TOP w1.2: v1(17.24,18.71) 16.42,17.89 DS5.1
  TOP w1.9: v1(57.01,19.63) 59.01,19.63 59.93,18.71
N17224757: length 3.5
  TOP w0.25: U3.2 61.86,19.51 61.97,19.4 61.97,17.75 62.37,17.35 62.86,17.35 R9.2
N17224773: length 2.8
  TOP w0.25: R10.2 62.86,18.5 62.86,19.14 62.88,19.16 ; U3.4 62.86,19.17 62.88,19.16 ; 62.88,19.16 63.36,19.64 U3.5
N17224777: length 7.4
  TOP w0.25: R8.1 63.27,24.36 65.1,24.36 65.55,23.92 65.55,22.76 65.3,22.51 63.11,22.51 ; 63.11,22.51 63.36,22.26 U3.6 ; 63.11,22.51 62.86,22.26 U3.7
N17281739: length 3.5
  TOP w0.68: C25.2 L6.1 ANT1.2

## Copper pours and planes (outline as drawn; the poured copper is in the pictures)
